# Altium PCB Dashcam BB V2.0 A.PcbDoc (part 2 of 2) (continued)
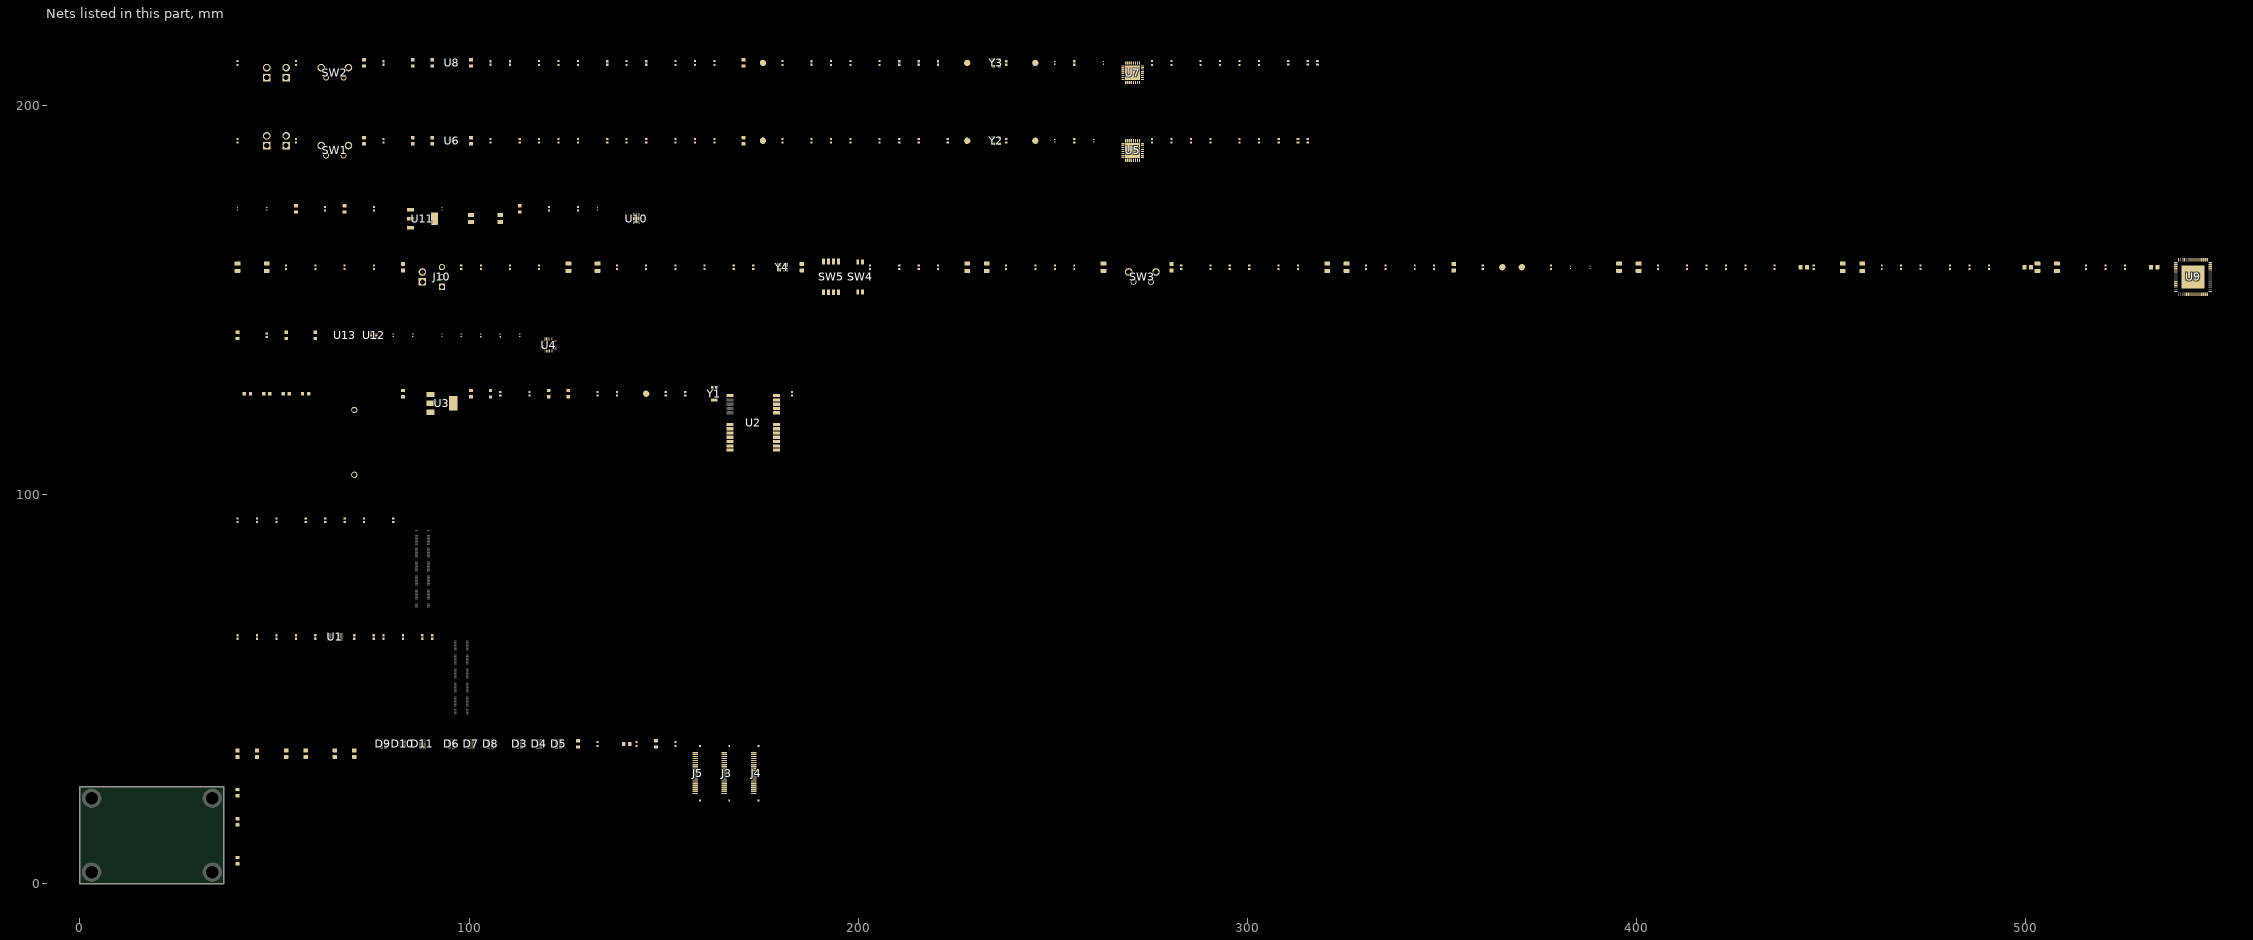
[diagram p2: the nets of this part, all layers, seen from the top]
## Part data (continued)
R66 R71: library part RES_78.7K_1%_63mW_0402, "Res Thick Film 0402 78.7K Ohm 1% 1/16W ±100ppm/°C Molded SMD Paper T/R", Case Code (Imperial)=0402, Case Code (Metric)=1005, Manufacturer=Vishay, Max Operating Temperature=155°C, Max Power Dissipation=63mW, Min Operating Temperature=-55°C, Package Quantity=10000, Ratings=AEC-Q200, Resistance=78.7K, Resistance Tolerance=1%, Resistor Type="Thick Film", Supplier Part Number 1=71-CRCW0402-78.7K-E3, Temperature Coefficient=100ppm/°C, Voltage Rating=50V, Case/Package=0402, Category="Chip SMD Resistors", ComponentLink1Description=https://datasheet.ciiva.com/2495/dcrcwe3-2495263.pdf?src-supplier=Digikey, ComponentLink1URL=https://datasheet.ciiva.com/2495/dcrcwe3-2495263.pdf?src-supplier=Digikey, ComponentLink2Description=https://datasheet.ciiva.com/2495/dcrcwe3-2495264.pdf?src-supplier=Digikey, ComponentLink2URL=https://datasheet.ciiva.com/2495/dcrcwe3-2495264.pdf?src-supplier=Digikey, ComponentLink3Description=https://datasheet.ciiva.com/2495/dcrcwe3-2495265.pdf?src-supplier=Digikey, ComponentLink3URL=https://datasheet.ciiva.com/2495/dcrcwe3-2495265.pdf?src-supplier=Digikey, ComponentLink4Description=https://datasheet.ciiva.com/5550/dcrcwe3-109170-5550798.pdf?src-supplier=Mouser, ComponentLink4URL=https://datasheet.ciiva.com/5550/dcrcwe3-109170-5550798.pdf?src-supplier=Mouser, ComponentLink5Description=https://datasheet.ciiva.com/22708/1697337-22708055.pdf?src-supplier=Element14, ComponentLink5URL=https://datasheet.ciiva.com/22708/1697337-22708055.pdf?src-supplier=Element14, ComponentLink6Description=https://datasheet.ciiva.com/16779/70201119-16779943.pdf?src-supplier=Allied+Electronics, ComponentLink6URL=https://datasheet.ciiva.com/16779/70201119-16779943.pdf?src-supplier=Allied+Electronics, ComponentLink7Description=https://datasheet.ciiva.com/16494/dcrcwe3-16494454.pdf?src-supplier=Future+Electronics, ComponentLink7URL=https://datasheet.ciiva.com/16494/dcrcwe3-16494454.pdf?src-supplier=Future+Electronics, Construction=Rectangular, Depth=0.5mm, Features="Automotive AEC-Q200", Height=0.35mm, Lead Free="Lead Free", Length=1mm, Manufacturer Part Number=CRCW040278K7FKED, Military Standard=Not, Number of Pins=2, Number of Terminations=2, Packaging="Tape and Reel", Power Rating=63mW, Pricing 1="1=0.1, 10=0.017, 50=0.017, 100=0.01, 1000=0.008, 10000=0.005 (USD)", Reach SVHC Compliant=Unknown, RoHS=Yes, RoHS Compliant=Yes, series=CRCW, Size Code=0402, Stock 1=70320, Supplier 1=Mouser, Technology="THICK FILM", Termination=SMD/SMT, Tolerance=1%, Voltage Rating (DC)=50V, Weight=2.3E-05oz, Width=0.5mm
R67: library part RES_39.2K_1%_63mW_0402, "Res Thick Film 0402 39.2K Ohm 1% 1/16W ±100ppm/°C Molded SMD SMD Paper T/R", Case Code (Imperial)=0402, Case Code (Metric)=1005, Manufacturer=Vishay, Max Operating Temperature=155°C, Max Power Dissipation=63mW, Min Operating Temperature=-55°C, Package Quantity=10, Resistance=39.2K, Resistance Tolerance=1%, Resistor Type="Thick Film", Supplier Part Number 1=52K7028, Temperature Coefficient=100ppm/°C, Voltage Rating=50V, Case/Package=0402, Category="Chip SMD Resistors", ComponentLink1Description=https://datasheet.ciiva.com/11818/0900766b80d98824-11818068.pdf?src-supplier=Rs, ComponentLink1URL=https://datasheet.ciiva.com/11818/0900766b80d98824-11818068.pdf?src-supplier=Rs, ComponentLink2Description=https://datasheet.ciiva.com/2463/dcrcwe3-2463559.pdf?src-supplier=Digikey, ComponentLink2URL=https://datasheet.ciiva.com/2463/dcrcwe3-2463559.pdf?src-supplier=Digikey, ComponentLink3Description=https://datasheet.ciiva.com/2463/dcrcwe3-2463560.pdf?src-supplier=Digikey, ComponentLink3URL=https://datasheet.ciiva.com/2463/dcrcwe3-2463560.pdf?src-supplier=Digikey, ComponentLink4Description=https://datasheet.ciiva.com/2463/dcrcwe3-2463561.pdf?src-supplier=Digikey, ComponentLink4URL=https://datasheet.ciiva.com/2463/dcrcwe3-2463561.pdf?src-supplier=Digikey, ComponentLink5Description=https://datasheet.ciiva.com/7671/1697337-7671596.pdf?src-supplier=Element14, ComponentLink5URL=https://datasheet.ciiva.com/7671/1697337-7671596.pdf?src-supplier=Element14, ComponentLink6Description=https://datasheet.ciiva.com/7671/1533075-7671772.pdf?src-supplier=Element14, ComponentLink6URL=https://datasheet.ciiva.com/7671/1533075-7671772.pdf?src-supplier=Element14, ComponentLink7Description=https://datasheet.ciiva.com/3256/dcrcwe3-3256469.pdf?src-supplier=Avnet, ComponentLink7URL=https://datasheet.ciiva.com/3256/dcrcwe3-3256469.pdf?src-supplier=Avnet, ComponentLink8Description=https://datasheet.ciiva.com/22869/70201119-22869593.pdf?src-supplier=Allied+Electronics, ComponentLink8URL=https://datasheet.ciiva.com/22869/70201119-22869593.pdf?src-supplier=Allied+Electronics, ComponentLink9Description=https://datasheet.ciiva.com/16774/70201119-16774809.pdf?src-supplier=Allied+Electronics, ComponentLink9URL=https://datasheet.ciiva.com/16774/70201119-16774809.pdf?src-supplier=Allied+Electronics, ComponentLink10Description=https://datasheet.ciiva.com/16429/dcrcwe3-16429962.pdf?src-supplier=Future+Electronics, ComponentLink10URL=https://datasheet.ciiva.com/16429/dcrcwe3-16429962.pdf?src-supplier=Future+Electronics, Construction=Rectangular, Contact Plating=Tin, Depth=0.5mm, Features="Automotive AEC-Q200", Height=0.35mm, Lead Free=5697LeadFree, Length=1mm, Manufacturer Part Number=CRCW040239K2FKED, Military Standard=Not, Number of Pins=2, Number of Terminations=2, Packaging="Tape and Reel", Power Rating=63mW, Pricing 1="1=0.005, 25=0.005, 100=0.005, 250=0.005, 500=0.005, 1000=0.005 (USD)", Radiation Hardening=No, Reach SVHC Compliant=Unknown, RoHS=Yes, RoHS Compliant=Yes, series=CRCW, Size Code=0402, Stock 1=6480, Supplier 1=Newark, Technology="THICK FILM", Termination=SMD/SMT, Tolerance=1%, Voltage Rating (DC)=50V, Weight=2.3E-05oz, Width=0.02inch
R68: library part RES_25.5K_1%_63mW_0402, "Res Thick Film 0402 25.5K Ohm 1% 1/16W ±100ppm/°C Molded SMD SMD Paper T/R", Case Code (Imperial)=0402, Case Code (Metric)=1005, Manufacturer=Vishay, Max Operating Temperature=155°C, Max Power Dissipation=63mW, Min Operating Temperature=-55°C, Package Quantity=10, Resistance=25.5K, Resistance Tolerance=1%, Resistor Type="Thick Film", Supplier Part Number 1=52K6888, Temperature Coefficient=100ppm/°C, Voltage Rating=50V, Case/Package=0402, Category="Chip SMD Resistors", ComponentLink1Description=https://datasheet.ciiva.com/11818/0900766b80d98824-11818027.pdf?src-supplier=Rs, ComponentLink1URL=https://datasheet.ciiva.com/11818/0900766b80d98824-11818027.pdf?src-supplier=Rs, ComponentLink2Description=https://datasheet.ciiva.com/2463/dcrcwe3-2463772.pdf?src-supplier=Digikey, ComponentLink2URL=https://datasheet.ciiva.com/2463/dcrcwe3-2463772.pdf?src-supplier=Digikey, ComponentLink3Description=https://datasheet.ciiva.com/2463/dcrcwe3-2463773.pdf?src-supplier=Digikey, ComponentLink3URL=https://datasheet.ciiva.com/2463/dcrcwe3-2463773.pdf?src-supplier=Digikey, ComponentLink4Description=https://datasheet.ciiva.com/2463/dcrcwe3-2463774.pdf?src-supplier=Digikey, ComponentLink4URL=https://datasheet.ciiva.com/2463/dcrcwe3-2463774.pdf?src-supplier=Digikey, ComponentLink5Description=https://datasheet.ciiva.com/8336/dcrcwe3-8336701.pdf?src-supplier=Avnet, ComponentLink5URL=https://datasheet.ciiva.com/8336/dcrcwe3-8336701.pdf?src-supplier=Avnet, ComponentLink6Description=https://datasheet.ciiva.com/16389/dcrcwe3-16389982.pdf?src-supplier=Future+Electronics, ComponentLink6URL=https://datasheet.ciiva.com/16389/dcrcwe3-16389982.pdf?src-supplier=Future+Electronics, ComponentLink7Description=https://datasheet.ciiva.com/16761/70201119-16761375.pdf?src-supplier=Allied+Electronics, ComponentLink7URL=https://datasheet.ciiva.com/16761/70201119-16761375.pdf?src-supplier=Allied+Electronics, ComponentLink8Description=https://datasheet.ciiva.com/7671/1697337-7671565.pdf?src-supplier=Element14, ComponentLink8URL=https://datasheet.ciiva.com/7671/1697337-7671565.pdf?src-supplier=Element14, ComponentLink9Description=https://datasheet.ciiva.com/7671/1533075-7671768.pdf?src-supplier=Element14, ComponentLink9URL=https://datasheet.ciiva.com/7671/1533075-7671768.pdf?src-supplier=Element14, ComponentLink10Description=https://datasheet.ciiva.com/7172/1533075-7172954.pdf?src-supplier=Newark, ComponentLink10URL=https://datasheet.ciiva.com/7172/1533075-7172954.pdf?src-supplier=Newark, ComponentLink11Description=https://datasheet.ciiva.com/5547/dcrcwe3-109170-5547513.pdf?src-supplier=Mouser, ComponentLink11URL=https://datasheet.ciiva.com/5547/dcrcwe3-109170-5547513.pdf?src-supplier=Mouser, Contact Plating=Tin, Depth=0.5mm, Features="Automotive AEC-Q200", Height=0.35mm, Lead Free=5697LeadFree, Length=1mm, Manufacturer Part Number=CRCW040225K5FKED, Number of Pins=2, Number of Terminations=2, Packaging="Tape and Reel", Power Rating=63mW, Pricing 1="1=0.005, 25=0.005, 100=0.005, 250=0.005, 500=0.005, 1000=0.005 (USD)", Radiation Hardening=No, Reach SVHC Compliant=Unknown, RoHS=Yes, RoHS Compliant=Yes, series=CRCW, Size Code=0402, Stock 1=9998, Supplier 1=Newark, Technology="THICK FILM", Termination=SMD/SMT, Tolerance=1%, Voltage Rating (DC)=50V, Weight=2.3E-05oz, Width=0.02inch
R70: library part RES_97.6K_1%_63mW_0402, "CRCW Series 0402 97.6 kOhm 0.063 W ±1 % ±100 ppm/K SMT Thick Film Chip Resistor", Case Code (Imperial)=0402, Case Code (Metric)=1005, Manufacturer=Vishay, Max Operating Temperature=155°C, Max Power Dissipation=63mW, Min Operating Temperature=-55°C, Package Quantity=10000, Ratings=AEC-Q200, Resistance=97.6K, Resistance Tolerance=1%, Resistor Type="Thick Film", Supplier Part Number 1=541-97.6KLCT-ND, Temperature Coefficient=100ppm/°C, Voltage Rating=50V, Case/Package=0402, Category="Chip SMD Resistors", ComponentLink1Description=https://datasheet.ciiva.com/3256/dcrcwe3-3256903.pdf?src-supplier=Avnet, ComponentLink1URL=https://datasheet.ciiva.com/3256/dcrcwe3-3256903.pdf?src-supplier=Avnet, ComponentLink2Description=https://datasheet.ciiva.com/7714/1697337-7714190.pdf?src-supplier=Element14, ComponentLink2URL=https://datasheet.ciiva.com/7714/1697337-7714190.pdf?src-supplier=Element14, ComponentLink3Description=https://datasheet.ciiva.com/7714/1697337-7714191.pdf?src-supplier=Element14, ComponentLink3URL=https://datasheet.ciiva.com/7714/1697337-7714191.pdf?src-supplier=Element14, ComponentLink4Description=https://datasheet.ciiva.com/7743/125364-7743782.pdf?src-supplier=Element14, ComponentLink4URL=https://datasheet.ciiva.com/7743/125364-7743782.pdf?src-supplier=Element14, ComponentLink5Description=https://datasheet.ciiva.com/22708/1697337-22708059.pdf?src-supplier=Element14, ComponentLink5URL=https://datasheet.ciiva.com/22708/1697337-22708059.pdf?src-supplier=Element14, ComponentLink6Description=https://datasheet.ciiva.com/5545/dcrcwe3-109170-5545381.pdf?src-supplier=Mouser, ComponentLink6URL=https://datasheet.ciiva.com/5545/dcrcwe3-109170-5545381.pdf?src-supplier=Mouser, Construction=Rectangular, Contact Plating=Tin, Depth=0.5mm, Features="Automotive AEC-Q200", Height=0.35mm, Lead Free="Lead Free", Length=1mm, Manufacturer Part Number=CRCW040297K6FKED, Military Standard=Not, Number of Pins=2, Number of Terminations=2, Packaging="Tape and Reel", Power Rating=63mW, Pricing 1="1=0.1, 10=0.026, 50=0.0164, 100=0.0136, 500=0.00918, 1000=0.00789, 5000=0.00576, 10000=0.00512, 20000=0.00461, 30000=0.00435, 50000=0.00407, 70000=0.0039, 100000=0.00375, 250000=0.00341, 500000=0.00321, 1000000=0.00305 (USD)", Radiation Hardening=No, Reach SVHC Compliant=Unknown, RoHS=Yes, RoHS Compliant=Yes, series=CRCW, Stock 1=25927, Supplier 1=Digikey, Tolerance=1%, Voltage Rating (DC)=50V, Weight=2.3E-05oz, Width=0.5mm
R72: library part RES_95.3K_1%_63mW_0402, "CRCW FIXED RESISTOR 0402 (1005Metric) Chip Resistor ±1% ±100ppm/C 95.3kOhm 0.063W 1/16W", Case Code (Imperial)=0402, Case Code (Metric)=1005, Manufacturer=Vishay, Max Operating Temperature=155°C, Max Power Dissipation=63mW, Min Operating Temperature=-55°C, Package Quantity=10000, Ratings=AEC-Q200, Resistance=95.3K, Resistance Tolerance=1%, Resistor Type="Thick Film", Supplier Part Number 1=541-95.3KLCT-ND, Temperature Coefficient=100ppm/°C, Voltage Rating=50V, Case/Package=0402, Category="Chip SMD Resistors", ComponentLink1Description=https://datasheet.ciiva.com/22705/1697337-22705834.pdf?src-supplier=Element14, ComponentLink1URL=https://datasheet.ciiva.com/22705/1697337-22705834.pdf?src-supplier=Element14, ComponentLink2Description=https://datasheet.ciiva.com/5543/dcrcwe3-109170-5543177.pdf?src-supplier=Mouser, ComponentLink2URL=https://datasheet.ciiva.com/5543/dcrcwe3-109170-5543177.pdf?src-supplier=Mouser, Contact Plating=Tin, Features="Automotive AEC-Q200", Height=0.35mm, Lead Free="Lead Free", Length=1mm, Manufacturer Part Number=CRCW040295K3FKED, Number of Pins=2, Number of Terminations=2, Packaging="Tape and Reel", Power Rating=63mW, Pricing 1="1=0.1, 10=0.026, 50=0.0164, 100=0.0136, 500=0.00918, 1000=0.00789, 5000=0.00576, 10000=0.00512, 20000=0.00461, 30000=0.00435, 50000=0.00407, 70000=0.0039, 100000=0.00375, 250000=0.00341, 500000=0.00321, 1000000=0.00305 (USD)", Radiation Hardening=No, Reach SVHC Compliant=Unknown, RoHS=Yes, RoHS Compliant=Yes, series=CRCW, Size Code=0402, Stock 1=60308, Supplier 1=Digikey, Termination=SMD/SMT, Tolerance=1%, Voltage Rating (DC)=50V, Weight=2.3E-05oz, Width=0.5mm
SW1 SW2 SW3: library part SWITCH_SPST_NO_RA_PTS645VH83-2LFS, "Switch Tactile N.O SPST Round Button PC Pins 0.05A 12VDC 100000Cycle 1.96N Thru-Hole Bulk", Color=Black, Current Rating=50mA, Manufacturer="ITT C&K", Max Operating Temperature=60°C, Max Voltage Rating (DC)=12V, Min Operating Temperature=-20°C, Operating Force=1.96N, Package Quantity=1000, Supplier Part Number 1=41AJ9932, Actuator Material=Nylon,Polyamide,PA66, Actuator Type=Standard, ComponentLink1Description=https://datasheet.ciiva.com/26930/getdatasheetpartid-759839-26930136.pdf?src-supplier=Verical, ComponentLink1URL=https://datasheet.ciiva.com/26930/getdatasheetpartid-759839-26930136.pdf?src-supplier=Verical, ComponentLink2Description=https://datasheet.ciiva.com/14920/pts645-14920698.pdf?src-supplier=Digikey, ComponentLink2URL=https://datasheet.ciiva.com/14920/pts645-14920698.pdf?src-supplier=Digikey, Contact Material=Bronze, Contact Plating=Silver, Depth=12.3mm, Illumination Type=Non-Illuminated, Lead Free="Lead Free", Length=7.5mm, Manufacturer Part Number=PTS645VH83-2LFS, Max Current Rating=50mA, Mechanical Life=100000Cycles, Mount="Through Hole", Orientation="Right Angle", Packaging=Bulk, Pricing 1="1=0.352 (USD)", Radiation Hardening=No, RoHS=Yes, RoHS Compliant=Yes, series=PTS645, Stock 1=103123, Supplier 1=Newark, Switch Function=Off-Mom, Termination="PC Pins", Throw Configuration=SPST, Voltage Rating (DC)=12V
SW4: library part SWITCH_DIP_2P_25mA_218-2LPSTR, "Switch DIP ON OFF SPST 2 Recessed Slide 0.025A 24VDC Gull Wing 1000Cycles 1.27mm SMD T/R", Current Rating=25mA, Manufacturer=CTS, Max Operating Temperature=85°C, Min Operating Temperature=-55°C, Package Quantity=2000, Supplier Part Number 1=CT3108CT-ND, Voltage Rating (DC)=24V, Actuator Type="Slide (Standard)", Category="DIP Switches", ComponentLink1Description=https://datasheet.ciiva.com/2865/218-2865152.pdf?src-supplier=Digi-Key, ComponentLink1URL=https://datasheet.ciiva.com/2865/218-2865152.pdf?src-supplier=Digi-Key, ComponentLink2Description=https://datasheet.ciiva.com/29890/218-29890939.pdf?src-supplier=Avnet, ComponentLink2URL=https://datasheet.ciiva.com/29890/218-29890939.pdf?src-supplier=Avnet, ComponentLink3Description=https://datasheet.ciiva.com/15184/getdatasheetpartid-224320-15184939.pdf?src-supplier=Verical, ComponentLink3URL=https://datasheet.ciiva.com/15184/getdatasheetpartid-224320-15184939.pdf?src-supplier=Verical, Contact Material=Copper, Contact Plating=Gold, Depth=8.44mm, Electrical Life=1000Cycles, Lead Free="Lead Free", Length=0.146inch, Manufacturer Part Number=218-2LPSTR, Max Current Rating=25mA, Mount="Surface Mount", Number of Positions=2, Orientation=Straight, Packaging="Tape and Reel", Pitch=0.05inch, Pricing 1="1=0.97, 10=0.93, 25=0.8692, 100=0.7548, 250=0.6868, 500=0.6367, 1000=0.59021 (USD)", Radiation Hardening=No, RoHS=Yes, RoHS Compliant=Yes, series=218, Stock 1=31125, Supplier 1=Digi-Key, Termination="Gull Wing", Throw Configuration=SPST, Washable=Yes
SW5: library part SWITCH_DIP_4P_25mA_218-4LPSTR, "Switch DIP ON OFF SPST 4 Recessed Slide 0.025A 24VDC Gull Wing 1000Cycles 1.27mm SMD T/R", Manufacturer=CTS, Max Current Rating=25mA, Max Operating Temperature=85°C, Max Voltage Rating (DC)=24V, Min Operating Temperature=-55°C, Package Quantity=2000, Supplier Part Number 1=CT3110CT-ND, Actuator Type="Slide (Standard)", Category="DIP Switches", ComponentLink1Description=https://datasheet.ciiva.com/8676/218-8676896.pdf?src-supplier=Avnet, ComponentLink1URL=https://datasheet.ciiva.com/8676/218-8676896.pdf?src-supplier=Avnet, ComponentLink2Description=https://datasheet.ciiva.com/8082/218-8082342.pdf?src-supplier=Avnet, ComponentLink2URL=https://datasheet.ciiva.com/8082/218-8082342.pdf?src-supplier=Avnet, ComponentLink3Description=https://datasheet.ciiva.com/16303/218-16303941.pdf?src-supplier=Future+Electronics, ComponentLink3URL=https://datasheet.ciiva.com/16303/218-16303941.pdf?src-supplier=Future+Electronics, ComponentLink4Description=https://datasheet.ciiva.com/15184/getdatasheetpartid-141001-15184860.pdf?src-supplier=Verical, ComponentLink4URL=https://datasheet.ciiva.com/15184/getdatasheetpartid-141001-15184860.pdf?src-supplier=Verical, Contact Material=Copper, Contact Plating=Gold, Depth=8.44mm, Electrical Life=1000Cycles, Lead Free="Lead Free", Length=6.25mm, Manufacturer Part Number=218-4LPSTR, Mechanical Life=1000Cycles, Mount="Surface Mount", Number of Positions=4, Orientation=Straight, Packaging="Tape and Reel", Pricing 1="1=1.08, 10=1.041, 25=0.978, 100=0.8449, 250=0.76996, 500=0.71586, 1000=0.66592 (USD)", Radiation Hardening=No, RoHS=Yes, RoHS Compliant=Yes, series=218, Stock 1=12605, Supplier 1=Digi-Key, Termination="Gull Wing", Throw Configuration=SPST, Voltage Rating (DC)=24V, Washable=Yes
TP1 TP2 TP3 TP4 TP5 TP6 TP7 TP8 TP9: library part TP_PAD_SMD_Round, "Test Point, SMD pad, round, 1.5mm, 1.6mm, 3mm diameter"
U1: library part IC_LEVEL_TRASLATOR_TCA9406DCUR, "Voltage Level Translator Bidirectional 1 Circuit 2 Channel 24Mbps US8", Case/Package=VSSOP, High Level Output Current=-50mA, Low Level Output Current=50mA, Manufacturer="Texas Instruments", Max Operating Temperature=85°C, Max Supply Voltage=5.5V, Min Operating Temperature=-40°C, Min Supply Voltage=1.65V, Package Quantity=3000, Supplier Part Number 1=595-TCA9406DCUR, Category="Voltage Level Shifters", Channel Type=Bidirectional, ComponentLink1Description=https://datasheet.ciiva.com/1899/tca9406-1899424.pdf?src-supplier=Digikey, ComponentLink1URL=https://datasheet.ciiva.com/1899/tca9406-1899424.pdf?src-supplier=Digikey, ComponentLink2Description=https://datasheet.ciiva.com/3149/tca9406-3149521.pdf?src-supplier=Avnet, ComponentLink2URL=https://datasheet.ciiva.com/3149/tca9406-3149521.pdf?src-supplier=Avnet, ComponentLink3Description=https://datasheet.ciiva.com/15134/getdatasheetpartid-312405-15134730.pdf?src-supplier=Verical, ComponentLink3URL=https://datasheet.ciiva.com/15134/getdatasheetpartid-312405-15134730.pdf?src-supplier=Verical, ComponentLink4Description=https://datasheet.ciiva.com/1899/tca9406-1899423.pdf?src-supplier=Digikey, ComponentLink4URL=https://datasheet.ciiva.com/1899/tca9406-1899423.pdf?src-supplier=Digikey, ComponentLink5Description=https://datasheet.ciiva.com/1899/tca9406-1899425.pdf?src-supplier=Digikey, ComponentLink5URL=https://datasheet.ciiva.com/1899/tca9406-1899425.pdf?src-supplier=Digikey, ComponentLink6Description=https://datasheet.ciiva.com/1503/1882429-1503921.pdf?src-supplier=Element14, ComponentLink6URL=https://datasheet.ciiva.com/1503/1882429-1503921.pdf?src-supplier=Element14, ComponentLink7Description=https://datasheet.ciiva.com/46391/1817453-46391351.pdf?src-supplier=Element14, ComponentLink7URL=https://datasheet.ciiva.com/46391/1817453-46391351.pdf?src-supplier=Element14, Data Rate=24Mbps, Height=0.8mm, Lead Free="Lead Free", Length=2.1mm, Logic Function=Translator, Manufacturer Part Number=TCA9406DCUR, Number of Circuits=1, Number of Outputs=2, Number of Pins=8, Packaging="Tape and Reel", Pricing 1="1=0.84, 10=0.536, 50=0.536, 100=0.439, 500=0.419, 1000=0.396, 3000=0.387, 6000=0.378, 9000=0.372, 10000=0.372, 24000=0.357 (USD)", Propagation Delay=260ns, Radiation Hardening=No, Reach SVHC Compliant=No, RoHS=Yes, RoHS Compliant=Yes, series=TCA, Stock 1=11492, Supplier 1=Mouser, Weight=0.00067oz, Width=2.4mm
U2: library part IC_MODULE_UBLOX_NEO-M9N-00B, "GNSS module, Flash, TCXO, SAW, LNA, LCC, 12x16 mm Professional Grade", Manufacturer=u-blox, Supplier Part Number 1=377-NEO-M9N-00B, Category="RF Receivers, Transceivers", ComponentLink1Description=https://datasheet.octopart.com/NEO-M9N-00B-u-blox-datasheet-166813760.pdf?src-supplier=Future+Electronics, ComponentLink1URL=https://datasheet.octopart.com/NEO-M9N-00B-u-blox-datasheet-166813760.pdf?src-supplier=Future+Electronics, ComponentLink2Description=https://datasheet.octopart.com/NEO-M9N-00B-u-blox-datasheet-166811447.pdf?src-supplier=TME, ComponentLink2URL=https://datasheet.octopart.com/NEO-M9N-00B-u-blox-datasheet-166811447.pdf?src-supplier=TME, Manufacturer Part Number=NEO-M9N-00B, Pricing 1="1=27, 10=23.92, 50=19.61, 100=15.68, 250=15.68, 1000=15.68, 10000=15.68 (USD)", RoHS=Yes, RoHS Compliant=Yes, Stock 1=8287, Supplier 1=Mouser
U3: library part IC_REG_LDO_3.3V_1A_AP2114H-3.3TRG1, "IC REG LDO 3.3V 1A SOT223", Manufacturer=Diodes, Supplier Part Number 1=AP2114H-3.3TRG1DICT-ND, Category="Voltage Regulators - Linear", ComponentLink1Description=https://datasheet.ciiva.com/29569/ap2114-29569881.pdf?src-supplier=Digikey, ComponentLink1URL=https://datasheet.ciiva.com/29569/ap2114-29569881.pdf?src-supplier=Digikey, ComponentLink2Description=https://datasheet.ciiva.com/29569/ap2114-29569882.pdf?src-supplier=Digikey, ComponentLink2URL=https://datasheet.ciiva.com/29569/ap2114-29569882.pdf?src-supplier=Digikey, ComponentLink3Description=https://datasheet.ciiva.com/29569/ap2114-29569883.pdf?src-supplier=Digikey, ComponentLink3URL=https://datasheet.ciiva.com/29569/ap2114-29569883.pdf?src-supplier=Digikey, Manufacturer Part Number=AP2114H-3.3TRG1, Pricing 1="1=0.41, 10=0.332, 25=0.304, 100=0.2262, 250=0.20504, 500=0.16968, 1000=0.12726 (USD)", RoHS=Yes, Stock 1=34610, Supplier 1=Digikey
U4: library part IC_IMU_9AXIS_ICM-20948, "IMU (Inertial Measurement Unit), 9-Axis, Accelerometer, Gyroscope, Compass", Case/Package=QFN, Manufacturer=TDK, Max Operating Temperature=85°C, Max Supply Voltage=3.6V, Min Operating Temperature=-40°C, Min Supply Voltage=1.71V, Supplier Part Number 1=410-ICM-20948, Category="Inertial Measurement Units (IMUs)", ComponentLink1Description=http://www.farnell.com/datasheets/2632662.pdf?src-supplier=Farnell, ComponentLink1URL=http://www.farnell.com/datasheets/2632662.pdf?src-supplier=Farnell, ComponentLink2Description=https://www.invensense.com/wp-content/uploads/2016/06/App-Note-eMD-20x48-User-Guide.pdf?src-supplier=Digikey, ComponentLink2URL=https://www.invensense.com/wp-content/uploads/2016/06/App-Note-eMD-20x48-User-Guide.pdf?src-supplier=Digikey, ComponentLink3Description=http://www.farnell.com/datasheets/2632662.pdf?src-supplier=Element14, ComponentLink3URL=http://www.farnell.com/datasheets/2632662.pdf?src-supplier=Element14, ComponentLink4Description=http://www.farnell.com/datasheets/2632662.pdf?src-supplier=Newark, ComponentLink4URL=http://www.farnell.com/datasheets/2632662.pdf?src-supplier=Newark, ComponentLink5Description=https://www.invensense.com/wp-content/uploads/2016/06/App-Note-eMD-20x48-User-Guide.pdf?src-supplier=Avnet, ComponentLink5URL=https://www.invensense.com/wp-content/uploads/2016/06/App-Note-eMD-20x48-User-Guide.pdf?src-supplier=Avnet, ComponentLink6Description=https://www.invensense.com/wp-content/uploads/2016/06/App-Note-eMD-20x48-User-Guide.pdf?src-supplier=Component+Distributors+Inc., ComponentLink6URL=https://www.invensense.com/wp-content/uploads/2016/06/App-Note-eMD-20x48-User-Guide.pdf?src-supplier=Component+Distributors+Inc., Height=1.05mm, Length=3mm, Manufacturer Part Number=ICM-20948, Mount="Surface Mount", Output Type=SPI,I2C, Packaging="Cut Tape", Pricing 1="1=8.32, 10=6.38, 50=6.38, 100=5.45, 250=5.41, 500=5.13, 1000=4.8, 2500=4.76, 5000=4.61, 10000=4.61 (USD)", RoHS=Yes, Sensor Type=Accelerometer,Gyroscope,Magnetometer, series=-, Stock 1=38177, Supplier 1=Mouser, Width=3mm